# KiCad board Skayboard.kicad_pcb (continued)
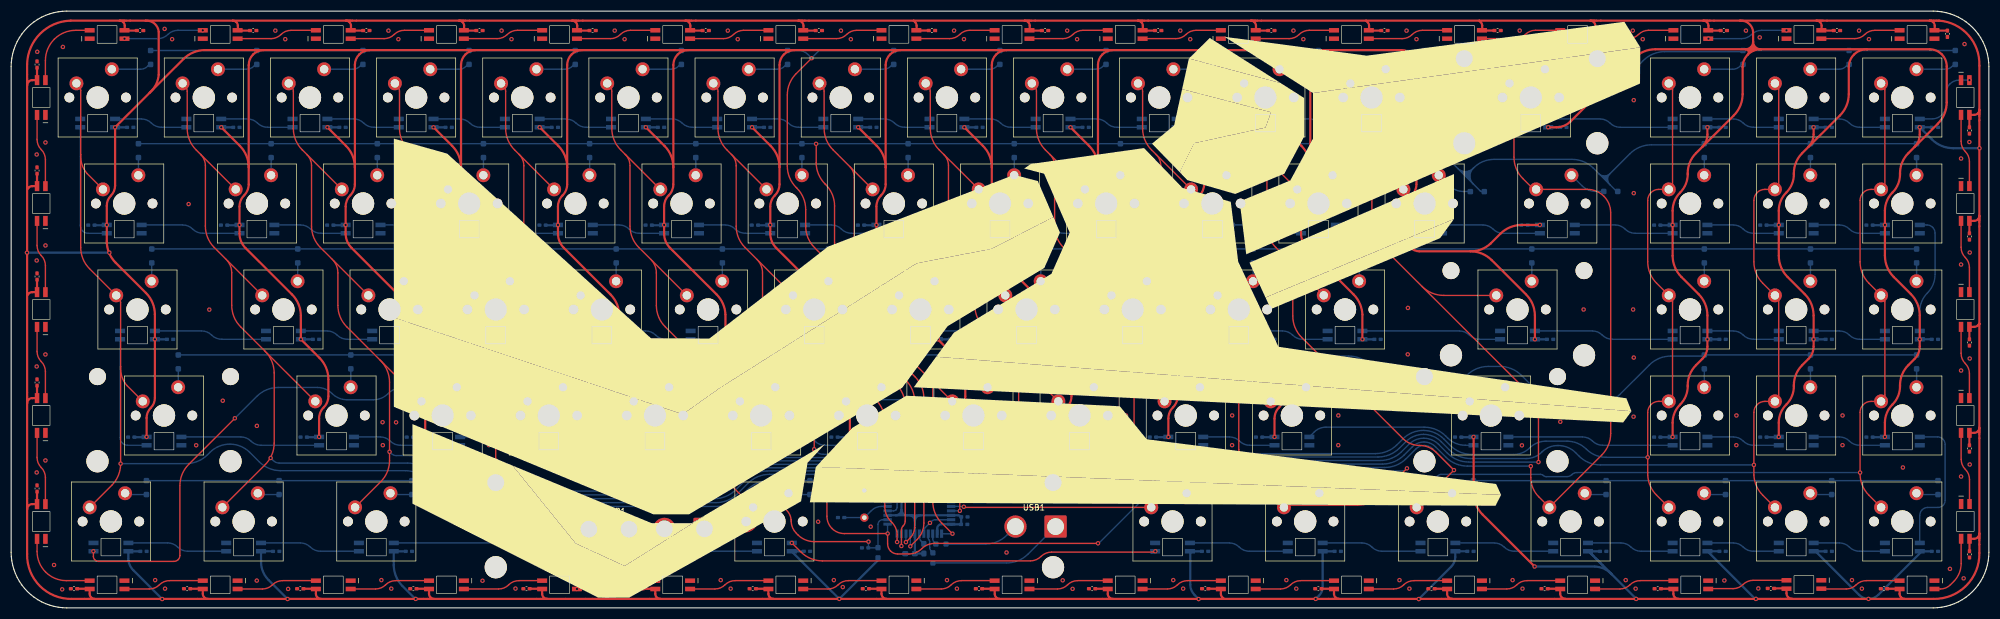
[diagram p0: board, top side]
## Routing (per net, layer and track width the routed paths; a pad name or vN(x,y) marks a point on that pad's centre or on a via; arc(x,y) is an arc through that point) (continued)
  Top w0.25: v1(140.09,11.67) 141.73,10.04 arc(143.49,8.86) 145.58,8.44 182.89,8.44 arc(183.93,8.65) 184.8,9.23 arc(185.68,9.82) 186.71,10.03 205.07,10.03 arc(205.16,10.04) 205.25,10.1 v1(205.32,10.17)
  Bottom w0.25: LED70.4 205.09,9.98 arc(204.88,9.84) 204.63,9.79
/R Alt/DOUT: length 18.7
  Bottom w0.25: 229.47,10.17 222.19,10.17 arc(221.21,10.37) 220.38,10.92 arc(219.55,11.48) 218.57,11.67 211.16,11.67
/R Shift/DIN: length 30.6
  Bottom w0.25: 298.53,29.22 285.59,29.22 arc(284.61,29.42) 283.78,29.97 arc(282.95,30.53) 281.97,30.72 268.31,30.72
/R/DIN: length 14
  Bottom w0.25: 104,68.82 109.09,68.82 arc(110.07,68.63) 110.9,68.07 arc(111.73,67.52) 112.71,67.32 117.55,67.32
/Right/DOUT: length 26.4
  Bottom w0.25: LED76.2 342.5,16.61 arc(342.61,17.16) 342.92,17.63 arc(343.39,17.94) 343.94,18.05 345.8,18.05 arc(346.28,18.14) 346.68,18.42 arc(346.96,18.82) 347.05,19.31 347.05,29.38 arc(346.95,29.89) 346.66,30.33 arc(346.22,30.62) 345.71,30.72 LED65.4
/ROW^{0}: length 431.3
  Top w0.25: v1(159.76,11.12) 159.76,13.94 arc(159.85,14.38) 160.1,14.76 arc(160.35,15.14) 160.44,15.58 160.44,36.32 arc(160.02,38.4) 158.85,40.17 152.41,46.6 arc(151.23,48.37) 150.81,50.45 150.81,55.85 arc(150.4,57.93) 149.22,59.7 144.18,64.74 arc(143,66.51) 142.58,68.59 142.58,71.6 arc(142.17,73.68) 140.99,75.45 140.87,75.56 arc(139.7,77.33) 139.28,79.41 139.28,92.17 arc(139.7,94.25) 140.87,96.02 v1(143.65,98.8)
  Bottom w0.25: D17.1 D16.1 310.92,100.17 arc(310.79,100.15) 310.68,100.07 arc(310.57,100) 310.44,99.97 296.75,99.97 arc(294.67,99.56) 292.9,98.38 290.01,95.49 arc(288.24,94.31) 286.16,93.89 283.25,93.89 278.85,98.3 arc(277.08,99.48) 275,99.89 269.97,99.89 arc(267.88,99.48) 266.12,98.3 264.91,97.09 arc(263.14,95.91) 261.06,95.49 260.47,95.49 arc(258.38,95.91) 256.62,97.09 253.77,99.94 arc(253.73,99.96) 253.68,99.97 253.67,99.97 arc(253.67,99.97) 253.67,99.97 253.6,99.97 ; U1.10 159.77,13.33 arc(159.76,13.32) 159.76,13.3 v1(159.76,11.12) ; D1.1 D2.1 D3.1 D4.1 D5.1 D6.1 D7.1 141.3,100.17 arc(142.2,99.99) 142.96,99.48 v1(143.65,98.8) 143.65,98.81 arc(143.65,98.83) 143.66,98.84 144.92,100.11 arc(145.02,100.16) 145.13,100.17 D8.1 D9.1 D10.1 D11.1 D12.1 D13.1
/ROW^{1}: length 420
  Top w0.25: v1(144.45,83.4) 144.46,83.39 arc(144.46,83.39) 144.46,83.38 144.46,80.04 arc(144.88,77.96) 146.06,76.2 146.17,76.08 arc(147.35,74.32) 147.76,72.23 147.76,65.67 arc(148.18,63.58) 149.36,61.82 151.07,60.1 arc(152.25,58.34) 152.67,56.26 152.67,51.06 arc(153.08,48.98) 154.26,47.21 160.55,40.93 arc(161.73,39.16) 162.14,37.08 162.14,14.49 arc(161.94,13.47) 161.36,12.6 v1(160.57,11.82)
  Bottom w0.25: 264.15,74.81 263.96,74.81 arc(263.78,74.85) 263.62,74.95 262.37,76.21 ; U1.9 160.58,13.34 arc(160.57,13.33) 160.57,13.33 v1(160.57,11.82) ; 237.16,83.23 253.09,83.23 arc(255.18,82.81) 256.94,81.63 259.58,79 ; 284.93,78.03 286.9,76.06 ; 284.93,78.03 283.94,79.02 arc(282.18,80.2) 280.09,80.61 266.11,80.61 arc(264.14,80.22) 262.48,79.11 262.37,79 ; 284.93,78.03 arc(285.91,77.62) 286.9,78.03 ; 286.9,76.06 288.09,74.87 arc(288.1,74.86) 288.1,74.85 288.1,74.85 arc(288.1,74.85) 288.1,74.85 arc(288.1,74.84) 288.1,74.84 288.1,74.84 arc(288.1,74.84) 288.09,74.84 288.09,74.84 ; 286.9,76.06 arc(286.49,77.04) 286.9,78.03 ; D34.1 323.44,83.43 arc(323.44,83.43) 323.44,83.43 D33.1 D32.1 ; D18.1 D19.1 D20.1 D21.1 D22.1 D23.1 D24.1 144.12,83.43 arc(144.19,83.42) 144.25,83.4 144.25,83.4 arc(144.25,83.4) 144.26,83.4 v1(144.45,83.4) 144.67,83.4 arc(144.67,83.4) 144.67,83.4 144.67,83.4 arc(144.74,83.42) 144.8,83.43 D25.1 D26.1 D27.1 D28.1 D29.1 ; 262.37,79 arc(261.79,77.6) 262.37,76.21 ; 262.37,79 arc(260.97,78.42) 259.58,79 ; 303.83,83.23 294.35,83.23 arc(292.27,82.81) 290.5,81.63 286.9,78.03 ; 259.58,79 262.37,76.21 ; 341.93,83.23 341.93,83.23
/ROW^{2}: length 378.5
  Top w0.25: v1(161.36,11.07) 162.57,12.29 arc(163.48,13.64) 163.79,15.23 163.79,37.69 arc(163.38,39.77) 162.2,41.54 156.01,47.72 arc(154.83,49.49) 154.42,51.57 154.42,56.69 arc(154,58.77) 152.83,60.54 149.08,64.28 arc(149.07,64.29) 149.06,64.29 149.06,64.3 arc(149.06,64.3) 149.05,64.3 arc(149.05,64.3) 149.05,64.3 149.05,64.34 arc(149.04,64.38) 149.02,64.42 v1(148.96,64.47)
  Bottom w0.25: U1.8 161.37,13.33 arc(161.36,13.32) 161.36,13.3 v1(161.36,11.07) ; D50.1 D49.1 D48.1 D47.1 D46.1 D45.1 D44.1 D43.1 D42.1 149.02,64.5 arc(149,64.5) 148.98,64.49 v1(148.96,64.47) ; D66.1 D36.1 D37.1 D38.1 D39.1 D40.1 D41.1 148.69,64.5 arc(148.76,64.5) 148.82,64.48
/ROW^{3}: length 359.7
  Top w0.25: v1(158.98,11.84) 158.98,13.13 arc(158.74,14.33) 158.07,15.34 157.88,15.53 arc(157.07,16.74) 156.78,18.18 156.78,33.55 arc(156.37,35.61) 155.21,37.35 arc(154.04,39.1) 153.63,41.15 153.63,42.31 arc(153.44,43.36) 152.88,44.27 151.8,45.36 arc(151.78,45.38) 151.78,45.41 v1(151.78,45.44)
  Bottom w0.25: D65.1 D64.1 D63.1 ; 303.84,45.25 297.83,45.25 arc(295.75,44.84) 293.98,43.66 288.65,38.33 arc(286.89,37.16) 284.81,36.74 276.07,36.74 271.01,41.8 arc(269.24,42.98) 267.16,43.39 265.07,43.39 arc(262.98,42.98) 261.22,41.8 258.11,38.69 arc(256.34,37.51) 254.26,37.09 252.72,37.09 arc(250.63,37.51) 248.87,38.69 243.9,43.66 arc(242.13,44.84) 240.05,45.25 232.4,45.25 ; D35.1 D52.1 D53.1 D54.1 D55.1 D56.1 151.56,45.45 arc(151.63,45.45) 151.69,45.43 ; v1(158.98,11.84) 158.98,13.33 arc(158.98,13.34) 158.98,13.34 U1.11 ; D61.1 D60.1 D59.1 D58.1 D57.1 151.8,45.45 arc(151.79,45.45) 151.78,45.45 v1(151.78,45.44)
/ROW^{4}: length 342.3
  Top w0.25: v1(146.39,22.87) 146.39,16.47 arc(146.63,15.28) 147.3,14.27 arc(148.31,13.59) 149.51,13.35 v1(157.29,13.35) 157.29,11.48 arc(157.42,10.8) 157.81,10.21 arc(158.39,9.83) 159.08,9.69 161.12,9.69 arc(162.36,9.94) 163.41,10.64 arc(164.46,11.34) 165.71,11.59 195,11.59 arc(195.02,11.59) 195.03,11.6 v1(195.04,11.61)
  Bottom w0.25: D51.1 D67.1 D68.1 74.95,19.82 arc(76.71,18.64) 78.8,18.23 126.87,18.23 arc(128.95,18.64) 130.71,19.82 132.17,21.27 arc(133.93,22.45) 136.01,22.87 v1(146.39,22.87) ; v1(157.29,13.35) 157.28,13.36 arc(157.28,13.36) 157.28,13.37 U1.12 ; D76.1 D75.1 D74.1 D73.1 D72.1 D71.1 D70.1 208.68,22.87 arc(206.6,22.45) 204.84,21.27 195.22,11.66 arc(195.17,11.62) 195.11,11.61 v1(195.04,11.61)
/SK1/DOUT: length 14
  Bottom w0.25: 304.03,49.77 309.02,49.77 arc(310,49.58) 310.83,49.02 arc(311.66,48.47) 312.64,48.27 317.58,48.27
/SK2/DOUT: length 14
  Bottom w0.25: 323.08,49.77 328.07,49.77 arc(329.05,49.58) 329.88,49.02 arc(330.71,48.47) 331.69,48.27 336.63,48.27
/SK4/DIN: length 14
  Bottom w0.25: 317.58,29.22 312.64,29.22 arc(311.66,29.42) 310.83,29.97 arc(310,30.53) 309.02,30.72 304.03,30.72
/SK5/DOUT: length 14
  Bottom w0.25: 336.63,29.22 331.69,29.22 arc(330.71,29.42) 329.88,29.97 arc(329.05,30.53) 328.07,30.72 323.08,30.72
/T/DIN: length 14
  Bottom w0.25: 136.6,67.32 131.76,67.32 arc(130.78,67.52) 129.95,68.07 arc(129.12,68.63) 128.14,68.82 123.05,68.82
/U/DOUT: length 14
  Bottom w0.25: 142.1,68.82 147.19,68.82 arc(148.17,68.63) 149,68.07 arc(149.83,67.52) 150.81,67.32 155.65,67.32
/ULED: length 14.2
  Bottom w0.25: v1(351.42,94.85) 349.58,94.85 arc(348.68,94.67) 347.9,94.16 arc(347.39,93.39) 347.21,92.48 347.21,90.38 arc(347.02,89.42) 346.48,88.61 arc(345.66,88.07) 344.7,87.88 342.13,87.88
/ULED1/DOUT: length 13.2
  Top w0.25: LED78.4 351.42,80.22 arc(351.22,81.2) 350.67,82.03 arc(350.11,82.86) 349.92,83.84 LED77.2
/ULED2/DOUT: length 13.2
  Top w0.25: LED79.4 351.42,61.17 arc(351.22,62.15) 350.67,62.98 arc(350.11,63.81) 349.92,64.79 LED78.2
/ULED3/DOUT: length 13.2
  Top w0.25: LED79.2 349.92,45.74 arc(350.11,44.76) 350.67,43.93 arc(351.22,43.1) 351.42,42.12 LED80.4
/ULED4/DOUT: length 13.2
  Top w0.25: LED81.4 351.43,23.08 arc(351.24,24.06) 350.68,24.89 arc(350.13,25.72) 349.93,26.7 349.93,31.47
/ULED5/DOUT: length 11.9
  Top w0.25: LED81.2 349.93,7.97 arc(349.58,6.22) 348.59,4.73 348,4.14 arc(347.17,3.59) 346.19,3.39 LED82.4
/ULED6/DOUT: length 14.5
  Top w0.25: 324.84,3.39 329.29,3.39 arc(330.27,3.59) 331.1,4.14 arc(331.93,4.7) 332.91,4.89 LED82.2
/ULED7/DOUT: length 14.5
  Top w0.25: 304.54,3.45 308.99,3.45 arc(309.97,3.65) 310.8,4.2 arc(311.63,4.76) 312.61,4.95 LED83.2
/ULED8/DOUT: length 14.5
  Top w0.25: LED85.4 288.69,3.39 arc(289.67,3.59) 290.5,4.14 arc(291.33,4.7) 292.31,4.89 LED84.2
/ULED10/DIN: length 14.5
  Top w0.25: LED85.2 272.01,4.89 arc(271.03,4.7) 270.2,4.14 arc(269.37,3.59) 268.39,3.39 LED86.4
/ULED10/DOUT: length 14.5
  Top w0.25: LED86.2 251.71,4.89 arc(250.73,4.7) 249.9,4.14 arc(249.07,3.59) 248.09,3.39 LED87.4
/ULED11/DOUT: length 14.5
  Top w0.25: LED87.2 231.41,4.89 arc(230.43,4.7) 229.6,4.14 arc(228.77,3.59) 227.79,3.39 LED88.4
/ULED12/DOUT: length 14.5
  Top w0.25: LED89.4 207.49,3.39 arc(208.47,3.59) 209.3,4.14 arc(210.13,4.7) 211.11,4.89 LED88.2
/ULED13/DOUT: length 14.5
  Top w0.25: LED90.4 187.76,3.39 arc(188.74,3.59) 189.57,4.14 arc(190.41,4.7) 191.39,4.89 LED89.2
/ULED14/DOUT: length 14.5
  Top w0.25: LED91.4 166.89,3.39 arc(167.87,3.59) 168.7,4.14 arc(169.53,4.7) 170.51,4.89 LED90.2
/ULED15/DOUT: length 14.5
  Top w0.25: LED91.2 150.21,4.89 arc(149.23,4.7) 148.4,4.14 arc(147.57,3.59) 146.59,3.39 LED92.4
/ULED16/DOUT: length 14.5
  Top w0.25: LED93.4 126.29,3.39 arc(127.27,3.59) 128.1,4.14 arc(128.93,4.7) 129.91,4.89 LED92.2
/ULED17/DOUT: length 14.5
  Bottom w0.25: v1(115.59,4.89) 109.61,4.89 arc(108.63,4.7) 107.8,4.14 arc(106.97,3.59) 105.99,3.39 v1(101.54,3.39)
/ULED18/DOUT: length 14.5
  Top w0.25: LED94.2 91.1,4.89 arc(90.12,4.7) 89.29,4.14 arc(88.46,3.59) 87.48,3.39 LED95.4
/ULED19/DOUT: length 14.5
  Top w0.25: LED95.2 69.01,4.89 arc(68.03,4.7) 67.2,4.14 arc(66.37,3.59) 65.39,3.39 LED96.4
/ULED20/DOUT: length 14.5
  Top w0.25: LED96.2 48.71,4.89 arc(47.73,4.7) 46.9,4.14 arc(46.07,3.59) 45.09,3.39 LED97.4
/ULED21/DOUT: length 14.5
  Top w0.25: LED97.2 28.41,4.89 arc(27.43,4.7) 26.6,4.14 arc(25.77,3.59) 24.79,3.39 LED98.4
/ULED22/DOUT: length 14.7
  Top w0.25: LED99.4 4.65,10.15 arc(5.05,8.14) 6.19,6.43 arc(7.89,5.29) 9.91,4.89 LED98.2
/ULED23/DOUT: length 13.2
  Top w0.25: LED100.4 4.65,27.03 arc(4.84,26.05) 5.4,25.22 arc(5.95,24.39) 6.15,23.41 LED99.2
/ULED24/DOUT: length 13.2
  Top w0.25: LED100.2 6.15,42.46 arc(5.95,43.44) 5.4,44.27 arc(4.84,45.1) 4.65,46.08 LED101.4
/ULED25/DOUT: length 13.2
  Top w0.25: LED101.2 6.15,61.51 arc(5.95,62.49) 5.4,63.32 arc(4.84,64.15) 4.65,65.13 LED102.4
/ULED26/DOUT: length 13.2
  Top w0.25: LED102.2 6.15,80.56 arc(5.95,81.54) 5.4,82.37 arc(4.84,83.2) 4.65,84.18 LED103.4
/ULED27/DOUT: length 14.6
  Top w0.25: LED103.2 6.15,98.36 arc(6.56,100.44) 7.74,102.2 7.75,102.21 arc(9.52,103.39) 11.6,103.81 14.08,103.81 arc(14.08,103.81) 14.08,103.81 14.08,103.82 arc(14.07,103.82) 14.05,103.83
/ULED28/DOUT: length 14.5
  Bottom w0.25: v1(20.34,102.31) 26.32,102.31 arc(27.3,102.5) 28.13,103.06 arc(28.96,103.61) 29.94,103.81 v1(34.39,103.81)
/ULED29/DOUT: length 14.5
  Top w0.25: LED105.2 46.62,102.31 arc(47.6,102.5) 48.43,103.06 arc(49.26,103.61) 50.24,103.81 LED106.4
/ULED30/DOUT: length 14.5
  Top w0.25: LED106.2 66.92,102.31 arc(67.9,102.5) 68.73,103.06 arc(69.56,103.61) 70.54,103.81 LED107.4
/ULED31/DOUT: length 14.5
  Top w0.25: LED107.2 87.22,102.31 arc(88.2,102.5) 89.03,103.06 arc(89.86,103.61) 90.84,103.81 LED108.4
/ULED32/DOUT: length 14.5
  Top w0.25: LED109.4 111.14,103.81 arc(110.16,103.61) 109.33,103.06 arc(108.5,102.5) 107.52,102.31 LED108.2
/ULED33/DOUT: length 14.5
  Top w0.25: LED109.2 127.82,102.31 arc(128.8,102.5) 129.63,103.06 arc(130.46,103.61) 131.44,103.81 LED110.4
/ULED34/DOUT: length 14.5
  Top w0.25: 156.19,103.81 151.74,103.81 arc(150.76,103.61) 149.93,103.06 arc(149.1,102.5) 148.12,102.31 LED110.2
/ULED35/DOUT: length 14.5
  Top w0.25: 176.49,103.81 172.04,103.81 arc(171.06,103.61) 170.23,103.06 arc(169.4,102.5) 168.42,102.31 LED111.2
/ULED36/DOUT: length 14.5
  Top w0.25: LED112.2 188.72,102.31 arc(189.7,102.5) 190.53,103.06 arc(191.36,103.61) 192.34,103.81 LED113.4
/ULED37/DOUT: length 14.5
  Top w0.25: LED114.4 212.64,103.81 arc(211.66,103.61) 210.83,103.06 arc(210,102.5) 209.02,102.31 LED113.2
/ULED38/DOUT: length 14.5
  Top w0.25: LED115.4 232.94,103.81 arc(231.96,103.61) 231.13,103.06 arc(230.3,102.5) 229.32,102.31 LED114.2
/ULED39/DOUT: length 14.5
  Top w0.25: LED115.2 249.62,102.31 arc(250.6,102.5) 251.43,103.06 arc(252.26,103.61) 253.24,103.81 257.69,103.81
/ULED40/DOUT: length 14.5
  Top w0.25: 277.99,103.81 273.54,103.81 arc(272.56,103.61) 271.73,103.06 arc(270.9,102.5) 269.92,102.31 LED116.2
/ULED41/DOUT: length 14.5
  Top w0.25: LED118.4 293.84,103.81 arc(292.86,103.61) 292.03,103.06 arc(291.2,102.5) 290.22,102.31 LED117.2
/ULED42/DOUT: length 14.5
  Top w0.25: v1(304.6,102.31) LED118.2
  Bottom w0.25: v1(318.59,103.81) 314.14,103.81 arc(313.16,103.61) 312.33,103.06 arc(311.5,102.5) 310.52,102.31 v1(304.6,102.31)
/ULED43/DOUT: length 14.5
  Top w0.25: LED119.2 330.82,102.31 arc(331.8,102.5) 332.63,103.06 arc(333.46,103.61) 334.44,103.81 LED120.4
/X/DOUT: length 14
  Bottom w0.25: 74.69,29.22 69.84,29.22 arc(68.86,29.42) 68.03,29.97 arc(67.2,30.53) 66.22,30.72 61.14,30.72
Net-(D1-A): length 7.3
  Bottom w0.25: 25.03,97.87 24.49,97.34 arc(23.9,96.95) 23.21,96.81 18.08,96.81 arc(18.07,96.81) 18.08,96.82 18.09,96.83
Net-(D2-A): length 7.3
  Bottom w0.25: 44.08,97.87 43.54,97.34 arc(42.95,96.95) 42.26,96.81 37.13,96.81 arc(37.12,96.81) 37.13,96.82 37.14,96.83
Net-(D3-A): length 7.3
  Bottom w0.25: 56.19,96.83 56.18,96.82 arc(56.17,96.81) 56.18,96.81 61.31,96.81 arc(62,96.95) 62.59,97.34 63.13,97.87
Net-(D4-A): length 7.3
  Bottom w0.25: 82.18,97.87 81.64,97.34 arc(81.05,96.95) 80.36,96.81 75.23,96.81 arc(75.22,96.81) 75.23,96.82 75.24,96.83
Net-(D5-A): length 7.3
  Bottom w0.25: 94.29,96.83 94.28,96.82 arc(94.27,96.81) 94.28,96.81 99.41,96.81 arc(100.1,96.95) 100.69,97.34 101.23,97.87
Net-(D6-A): length 7.3
  Bottom w0.25: 113.34,96.83 113.32,96.82 arc(113.32,96.81) 113.33,96.81 118.46,96.81 arc(119.15,96.95) 119.74,97.34 120.28,97.87
Net-(D7-A): length 7.3
  Bottom w0.25: 139.33,97.87 138.8,97.34 arc(138.2,96.95) 137.51,96.81 132.38,96.81 arc(132.38,96.81) 132.38,96.82 132.39,96.83
Net-(D8-A): length 7.3
  Bottom w0.25: 158.38,97.87 157.85,97.34 arc(157.25,96.95) 156.56,96.81 151.43,96.81 arc(151.43,96.81) 151.43,96.82 151.44,96.83
Net-(D9-A): length 7.3
  Bottom w0.25: 177.43,97.87 176.9,97.34 arc(176.3,96.95) 175.61,96.81 170.48,96.81 arc(170.48,96.81) 170.48,96.82 170.49,96.83
Net-(D10-A): length 7.3
  Bottom w0.25: 196.48,97.87 195.95,97.34 arc(195.35,96.95) 194.66,96.81 189.53,96.81 arc(189.53,96.81) 189.53,96.82 189.54,96.83
Net-(D11-A): length 7.3
  Bottom w0.25: 208.59,96.83 208.58,96.82 arc(208.58,96.81) 208.58,96.81 213.71,96.81 arc(214.4,96.95) 215,97.34 215.53,97.87
Net-(D12-A): length 7.3
  Bottom w0.25: 234.58,97.87 234.05,97.34 arc(233.45,96.95) 232.76,96.81 227.63,96.81 arc(227.63,96.81) 227.63,96.82 227.64,96.83
Net-(D13-A): length 7.3
  Bottom w0.25: 253.63,97.87 253.1,97.34 arc(252.5,96.95) 251.81,96.81 246.68,96.81 arc(246.68,96.81) 246.68,96.82 246.69,96.83
Net-(D14-A): length 7
  Bottom w0.25: 275.26,96.83 275.24,96.81 arc(275.24,96.81) 275.25,96.81 arc(275.25,96.81) 275.25,96.8 277.11,94.95 arc(278.28,94.17) 279.66,93.89 281.15,93.89
Net-(D15-A): length 7.3
  Bottom w0.25: 303.84,96.83 303.83,96.82 arc(303.83,96.81) 303.83,96.81 308.96,96.81 arc(309.65,96.95) 310.25,97.34 310.78,97.87
Net-(D16-A): length 7.3
  Bottom w0.25: 322.89,96.83 322.88,96.82 arc(322.88,96.81) 322.88,96.81 328.01,96.81 arc(328.7,96.95) 329.3,97.34 329.83,97.87
Net-(D17-A): length 7.3
  Bottom w0.25: 348.88,97.87 348.35,97.34 arc(347.75,96.95) 347.06,96.81 341.93,96.81 arc(341.93,96.81) 341.93,96.82 341.94,96.83
Net-(D18-A): length 3.5
  Bottom w0.25: MX18.2 22.84,77.77 arc(22.85,77.78) 22.85,77.79 22.85,81.25 arc(22.85,81.25) 22.85,81.25 22.85,81.25
Net-(D19-A): length 3.5
  Bottom w0.25: 46.67,81.25 46.66,81.25 arc(46.66,81.25) 46.66,81.25 46.66,77.79 arc(46.66,77.78) 46.65,77.77 MX19.2
Net-(D20-A): length 3.5
  Bottom w0.25: MX20.2 65.7,77.77 arc(65.71,77.78) 65.71,77.79 65.71,81.25 arc(65.71,81.25) 65.71,81.25 65.72,81.25
Net-(D21-A): length 3.5
  Bottom w0.25: MX21.2 84.75,77.77 arc(84.76,77.78) 84.76,77.79 84.76,81.25 arc(84.76,81.25) 84.76,81.25 84.77,81.25
Net-(D22-A): length 3.5
  Bottom w0.25: 103.82,81.25 103.81,81.25 arc(103.81,81.25) 103.81,81.25 103.81,77.79 arc(103.81,77.78) 103.8,77.77 MX22.2
Net-(D23-A): length 3.5
  Bottom w0.25: MX23.2 122.85,77.77 arc(122.86,77.78) 122.86,77.79 122.86,81.25 arc(122.86,81.25) 122.86,81.25 122.87,81.25
Net-(D24-A): length 3.5
  Bottom w0.25: 141.92,81.25 141.91,81.25 arc(141.91,81.25) 141.91,81.25 141.91,77.79 arc(141.91,77.78) 141.9,77.77 MX24.2
Net-(D25-A): length 3.5
  Bottom w0.25: MX25.2 160.95,77.77 arc(160.96,77.78) 160.96,77.79 160.96,81.25 arc(160.96,81.25) 160.96,81.25 160.97,81.25
Net-(D26-A): length 3.5
  Bottom w0.25: 180.02,81.25 180.01,81.25 arc(180.01,81.25) 180.01,81.25 180.01,77.79 arc(180.01,77.78) 180,77.77 MX26.2
Net-(D27-A): length 3.5
  Bottom w0.25: 199.07,81.25 199.06,81.25 arc(199.06,81.25) 199.06,81.25 199.06,77.79 arc(199.06,77.78) 199.05,77.77 MX27.2
Net-(D28-A): length 3.5
  Bottom w0.25: MX28.2 218.1,77.77 arc(218.11,77.78) 218.11,77.79 218.11,81.25 arc(218.11,81.25) 218.11,81.25 218.12,81.25
Net-(D29-A): length 3.5
  Bottom w0.25: 237.17,81.25 237.16,81.25 arc(237.16,81.25) 237.16,81.25 237.16,77.79 arc(237.16,77.78) 237.15,77.77 MX29.2
Net-(D30-A): length 7
  Bottom w0.25: 262.09,74.84 260.6,74.84 arc(259.22,75.12) 258.05,75.9 256.2,77.75 arc(256.2,77.76) 256.2,77.77 256.21,77.78
Net-(D31-A): length 7
  Bottom w0.25: 285.91,74.84 284.41,74.84 arc(283.03,75.12) 281.86,75.9 280.01,77.75 arc(280.01,77.76) 280.01,77.77 280.02,77.78
Net-(D32-A): length 3.5
  Bottom w0.25: MX32.2 303.83,77.77 arc(303.83,77.78) 303.84,77.79 303.84,81.25 arc(303.84,81.25) 303.84,81.25 303.84,81.25
Net-(D33-A): length 3.5
  Bottom w0.25: MX33.2 322.88,77.77 arc(322.88,77.78) 322.89,77.79 322.89,81.25 arc(322.89,81.25) 322.89,81.25 322.89,81.25
Net-(D34-A): length 3.5
  Bottom w0.25: MX34.2 341.93,77.77 arc(341.93,77.78) 341.94,77.79 341.94,81.25 arc(341.94,81.25) 341.94,81.25 341.94,81.26
Net-(D35-A): length 3.5
  Bottom w0.25: 30,43.15 29.99,43.15 arc(29.99,43.15) 29.99,43.15 29.99,39.69 arc(29.99,39.68) 29.98,39.67 MX35.2
Net-(D36-A): length 3.5
  Bottom w0.25: MX36.2 51.41,58.72 arc(51.42,58.73) 51.42,58.74 51.42,62.2 arc(51.42,62.2) 51.43,62.2 51.43,62.2
Net-(D37-A): length 3.5
  Bottom w0.25: MX37.2 70.46,58.72 arc(70.47,58.73) 70.47,58.74 70.47,62.2 arc(70.47,62.2) 70.48,62.2 70.48,62.2
Net-(D38-A): length 3.5
  Bottom w0.25: 89.53,62.2 89.53,62.2 arc(89.52,62.2) 89.52,62.2 89.52,58.74 arc(89.52,58.73) 89.51,58.72 MX38.2
Net-(D39-A): length 3.5
  Bottom w0.25: MX39.2 108.56,58.72 arc(108.57,58.73) 108.57,58.74 108.57,62.2 arc(108.57,62.2) 108.58,62.2 108.58,62.2
Net-(D40-A): length 3.5
  Bottom w0.25: MX40.2 127.61,58.72 arc(127.62,58.73) 127.62,58.74 127.62,62.2 arc(127.62,62.2) 127.63,62.2 127.63,62.2
Net-(D41-A): length 3.5
  Bottom w0.25: 146.68,62.2 146.68,62.2 arc(146.67,62.2) 146.67,62.2 146.67,58.74 arc(146.67,58.73) 146.66,58.72 MX41.2
Net-(D42-A): length 3.5
  Bottom w0.25: 165.73,62.2 165.73,62.2 arc(165.72,62.2) 165.72,62.2 165.72,58.74 arc(165.72,58.73) 165.71,58.72 MX42.2
Net-(D43-A): length 3.5
  Bottom w0.25: 184.78,62.2 184.78,62.2 arc(184.77,62.2) 184.77,62.2 184.77,58.74 arc(184.77,58.73) 184.76,58.72 MX43.2
Net-(D44-A): length 3.5
  Bottom w0.25: 203.83,62.2 203.83,62.2 arc(203.82,62.2) 203.82,62.2 203.82,58.74 arc(203.82,58.73) 203.81,58.72 MX44.2
Net-(D45-A): length 3.5
  Bottom w0.25: 222.88,62.2 222.88,62.2 arc(222.87,62.2) 222.87,62.2 222.87,58.74 arc(222.87,58.73) 222.86,58.72 MX45.2
Net-(D46-A): length 3.5
  Bottom w0.25: MX46.2 241.91,58.72 arc(241.92,58.73) 241.92,58.74 241.92,62.2 arc(241.92,62.2) 241.93,62.2 241.93,62.2
Net-(D47-A): length 3.5
  Bottom w0.25: 272.88,62.2 272.88,62.2 arc(272.88,62.2) 272.88,62.2 272.88,58.74 arc(272.88,58.73) 272.87,58.72 MX47.2
Net-(D48-A): length 3.5
  Bottom w0.25: 303.84,62.2 303.84,62.2 arc(303.84,62.2) 303.84,62.2 303.84,58.74 arc(303.83,58.73) 303.83,58.72 MX48.2
Net-(D49-A): length 3.5
  Bottom w0.25: MX49.2 322.88,58.72 arc(322.88,58.73) 322.89,58.74 322.89,62.2 arc(322.89,62.2) 322.89,62.2 322.89,62.2
Net-(D50-A): length 3.5
  Bottom w0.25: MX50.2 341.93,58.72 arc(341.93,58.73) 341.94,58.74 341.94,62.2 arc(341.94,62.2) 341.94,62.2 341.94,62.2
Net-(D51-A): length 3.9
  Bottom w0.25: D51.2 20.85,20.37 arc(20.7,20.4) 20.57,20.49 MX51.2
Net-(D52-A): length 3.5
  Bottom w0.25: MX52.2 60.94,39.67 arc(60.95,39.68) 60.95,39.69 60.95,43.15 arc(60.95,43.15) 60.95,43.15 60.95,43.15
Net-(D53-A): length 3.3
  Bottom w0.25: MX53.2 80,39.68 D53.2 ; 80,43.15 80,43.15 arc(80,43.15) 80,43.15
Net-(D54-A): length 3.5
  Bottom w0.25: 99.05,43.15 99.05,43.15 arc(99.05,43.15) 99.05,43.15 99.05,39.69 ; 99.04,39.67 MX54.2
Net-(D55-A): length 3.5
  Bottom w0.25: MX55.2 118.09,39.67 arc(118.1,39.68) 118.1,39.69 118.1,43.15 arc(118.1,43.15) 118.1,43.15 118.1,43.15
Net-(D56-A): length 3.5
  Bottom w0.25: 137.15,43.15 137.15,43.15 arc(137.15,43.15) 137.15,43.15 137.15,39.69 arc(137.15,39.68) 137.14,39.67 MX56.2
Net-(D57-A): length 3.5
  Bottom w0.25: MX57.2 156.19,39.67 arc(156.2,39.68) 156.2,39.69 156.2,43.15 arc(156.2,43.15) 156.2,43.15 156.2,43.15
Net-(D58-A): length 3.5
  Bottom w0.25: MX58.2 175.24,39.67 arc(175.25,39.68) 175.25,39.69 175.25,43.15 arc(175.25,43.15) 175.25,43.15 175.25,43.15
Net-(D59-A): length 3.5
  Bottom w0.25: 194.3,43.15 194.3,43.15 arc(194.3,43.15) 194.3,43.15 194.3,39.69 arc(194.3,39.68) 194.29,39.67 MX59.2
Net-(D60-A): length 3.5
  Bottom w0.25: 213.35,43.15 213.35,43.15 arc(213.35,43.15) 213.35,43.15 213.35,39.69 arc(213.35,39.68) 213.34,39.67 MX60.2
Net-(D61-A): length 3.5
  Bottom w0.25: MX61.2 232.39,39.67 arc(232.4,39.68) 232.4,39.69 232.4,43.15 arc(232.4,43.15) 232.4,43.15 232.4,43.15
Net-(D62-A): length 7
  Bottom w0.25: 268.12,39.68 268.11,39.67 arc(268.1,39.66) 268.11,39.65 269.95,37.8 arc(271.12,37.02) 272.5,36.74 274,36.74
Net-(D63-A): length 3.5
  Bottom w0.25: MX63.2 303.83,39.67 arc(303.83,39.68) 303.84,39.69 303.84,43.15 arc(303.84,43.15) 303.84,43.15 303.84,43.15
Net-(D64-A): length 3.5
  Bottom w0.25: 322.89,43.15 322.89,43.15 arc(322.89,43.15) 322.89,43.15 322.89,39.69 arc(322.88,39.68) 322.88,39.67 MX64.2
Net-(D65-A): length 3.5
  Bottom w0.25: 341.94,43.15 341.94,43.15 arc(341.94,43.15) 341.94,43.15 341.94,39.69 arc(341.93,39.68) 341.93,39.67 MX65.2
Net-(D66-A): length 3.5
  Bottom w0.25: 25.23,62.2 25.23,62.2 arc(25.23,62.2) 25.23,62.2 25.23,58.74 arc(25.23,58.73) 25.22,58.72 MX66.2
Net-(D67-A): length 3.9
  Bottom w0.25: D67.2 44.67,20.37 arc(44.51,20.4) 44.38,20.49 MX67.2
Net-(D68-A): length 3.9
  Bottom w0.25: D68.2 68.48,20.37 arc(68.32,20.4) 68.19,20.49 MX68.2
Net-(D69-A): length 3.9
  Bottom w0.25: MX69.2 139.63,20.49 arc(139.76,20.4) 139.92,20.37 D69.2
Net-(D70-A): length 3.9
  Bottom w0.25: MX70.2 211.07,20.49 arc(211.2,20.4) 211.35,20.37 D70.2
Net-(D71-A): length 3.9
  Bottom w0.25: D71.2 235.17,20.37 arc(235.01,20.4) 234.88,20.49 MX71.2
Net-(D72-A): length 3.9
  Bottom w0.25: D72.2 258.98,20.37 arc(258.82,20.4) 258.69,20.49 MX72.2
Net-(D73-A): length 3.9
  Bottom w0.25: MX73.2 282.5,20.49 arc(282.64,20.4) 282.79,20.37 D73.2
Net-(D74-A): length 3.9
  Bottom w0.25: MX74.2 303.94,20.49 arc(304.07,20.4) 304.22,20.37 D74.2
Net-(D75-A): length 3.9
  Bottom w0.25: MX75.2 322.99,20.49 arc(323.12,20.4) 323.27,20.37 D75.2
Net-(D76-A): length 3.9
  Bottom w0.25: D76.2 342.32,20.37 arc(342.17,20.4) 342.04,20.49 MX76.2
Net-(RST1-Pin_1): length 45.4
  Top w0.25: v1(153.85,11.9) 144.12,11.9 arc(142.53,12.22) 141.19,13.12 140.91,13.4 arc(140.25,14.35) 139.98,15.47 139.98,15.82 139.98,15.82 arc(137.58,18.34) 134.56,16.63 133.79,15.11 arc(133.04,14.12) 131.87,13.67 125.31,13.67 arc(124.97,13.74) 124.68,13.94 125.53,13.09
  Bottom w0.25: 155.53,10.79 153.84,10.79 arc(153.83,10.79) 153.83,10.8 arc(153.85,10.82) 153.85,10.84 v1(153.85,11.9) ; U1.13 156.42,15.84 arc(155.81,15.59) 155.56,14.98 R1.1
Net-(U1-D+): length 3.7
  Bottom w0.25: U1.4 164.58,12.53 arc(164.61,12.36) 164.71,12.22 arc(164.8,12.08) 164.84,11.91 164.84,10.86 arc(164.91,10.49) 165.12,10.18 R2.1
Net-(U1-D-): length 2.1
  Bottom w0.25: R3.1 165.66,11.75 arc(165.45,12.06) 165.38,12.43 U1.3
Net-(U1-UCAP): length 2.1
  Bottom w0.25: U1.6 162.98,12.82 arc(163.07,12.35) 163.34,11.94 C3.2
Net-(U1-XTAL1): length 8.4
  Bottom w0.25: U1.17 156.22,19.04 arc(155.24,19.23) 154.42,19.79 Y1.2 149.6,21.1 arc(149.6,21.1) 149.6,21.1 C2.2
Net-(U1-XTAL2): length 8.5
  Bottom w0.25: C4.2 153.08,16.23 arc(153.09,16.23) 153.1,16.22 arc(153.11,16.22) 153.11,16.22 154.37,17.48 arc(155.21,18.04) 156.2,18.24 U1.16
Net-(USB1-Pin_1): length 24.5
  Bottom w0.25: R2.2 178.63,8.07 arc(180.71,8.48) 182.48,9.66 USB1.1
Net-(USB1-Pin_2): length 13.5
  Bottom w0.25: USB1.2 178.66,13.04 arc(176.92,11.88) 174.86,11.47 R3.2

## Copper pours and planes (outline as drawn; the poured copper is in the pictures)
GND on Top: -1.37,108.26 -2.37,-1.24 357.13,-2.74 357.13,109.76
GND on Bottom: -1.66,108.27 -2.16,-1.73 357.34,-3.23 357.84,109.27
VCC on Top (solid shape): 252.23,90.51 253.49,89.06 252.2,87.96
VCC on Top (solid shape): 284,93.67 284.22,91.86 285.81,93.46
VCC on Top (solid shape): 312.65,101.23 311.68,100.44 311.92,99.71 313.37,100.48
/ROW^{1} on Bottom (solid shape): 286.51,77.64 285.51,77.64 285.6,77.41 286.5,76.57
/ROW^{1} on Bottom (solid shape): 261.98,78.67 261.09,78.37 260.08,78.54 261.84,76.75 261.78,77.82

Small or netless copper shapes (teardrops, artwork), in the pictures only: 422 on Bottom, 206 on Top
